# Altium PCB Protolink_Agro_LoRa.PcbDoc
Units mm, origin at the board's own origin, x right, y up, seen from the top; angles counter-clockwise.
Board outline 84 x 55 mm, 2 copper layers (Top Layer, Bottom Layer), stack 1.671 mm thick; 56 components, 38 nets, 169 pads, 46 vias.
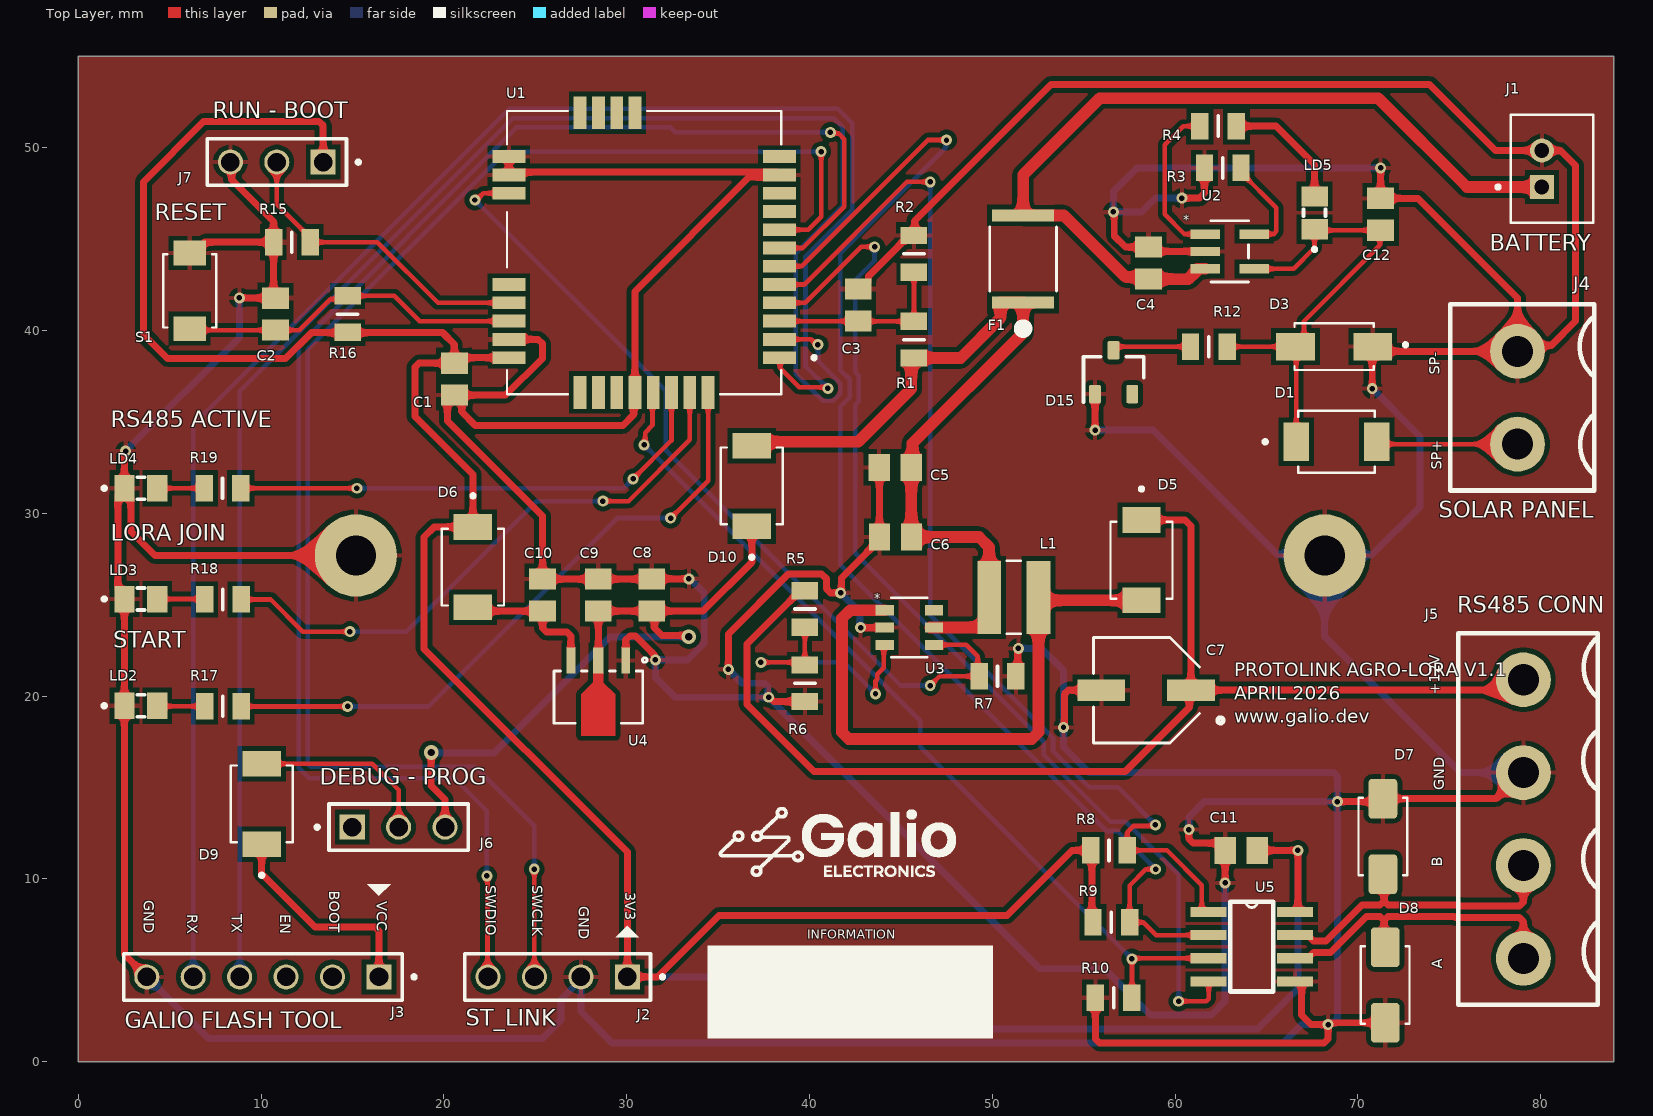
[diagram p0: Top Layer view]
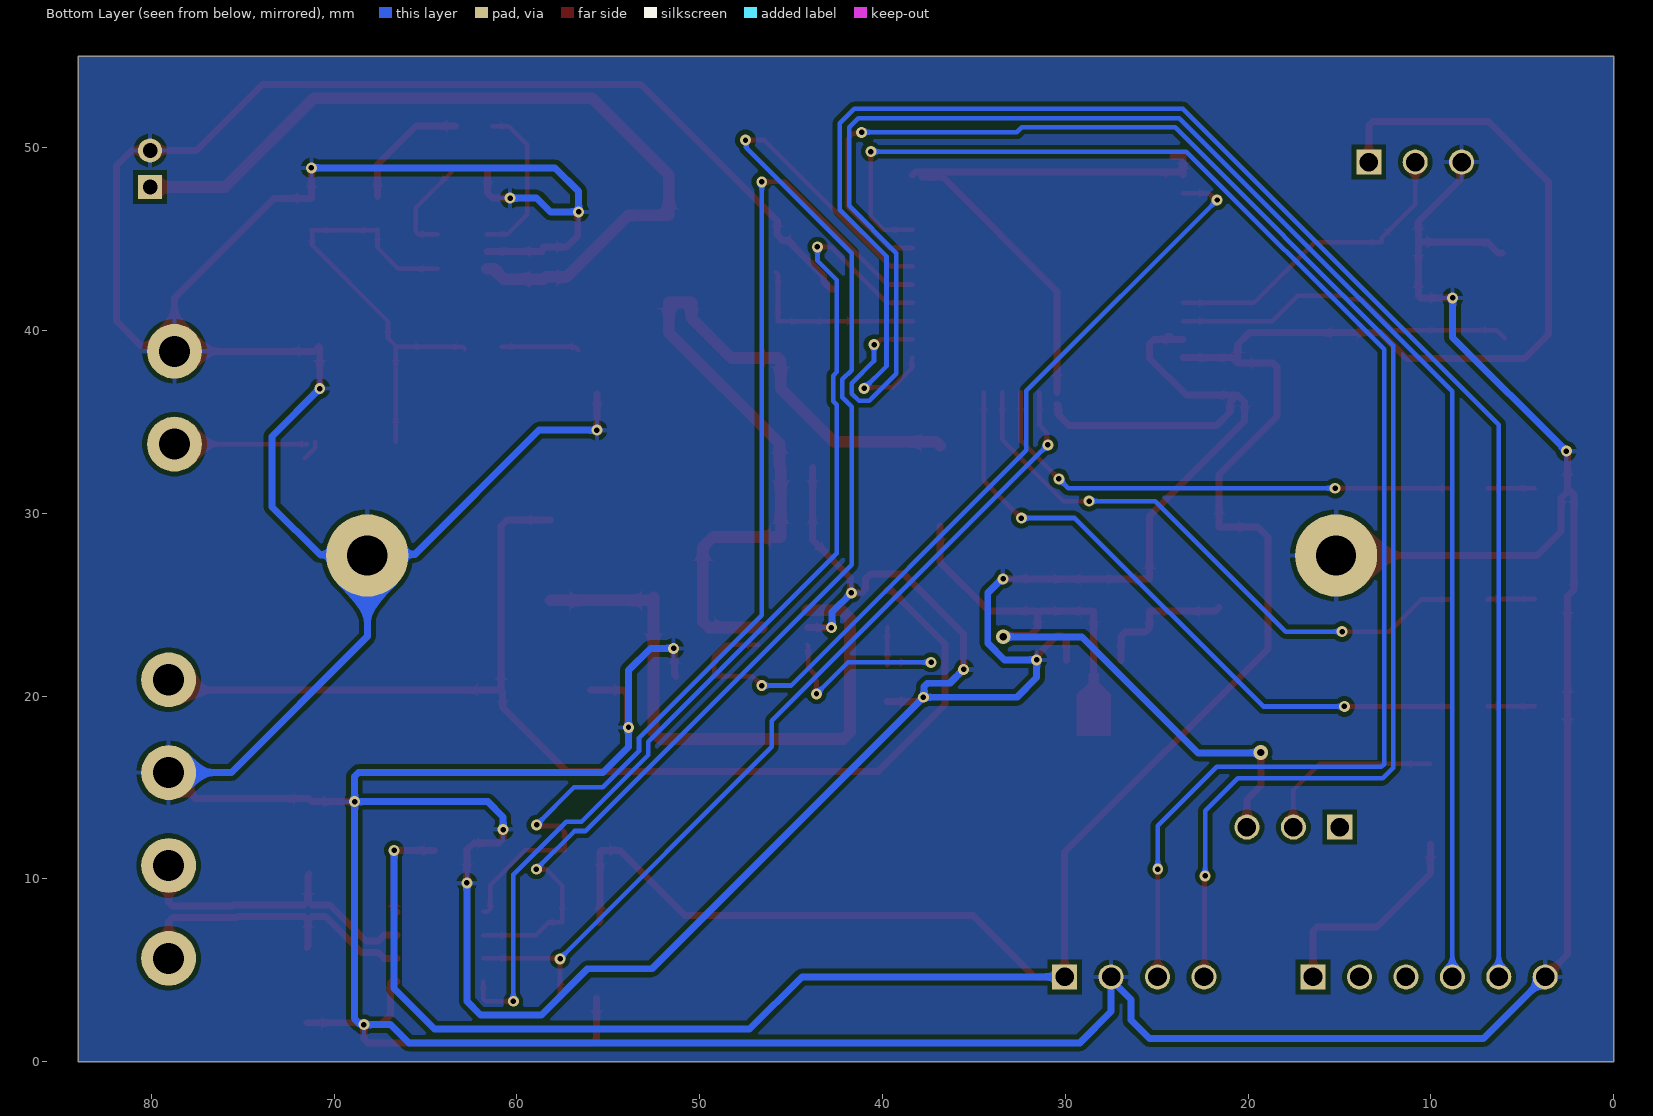
[diagram p1: Bottom Layer view, seen from below]
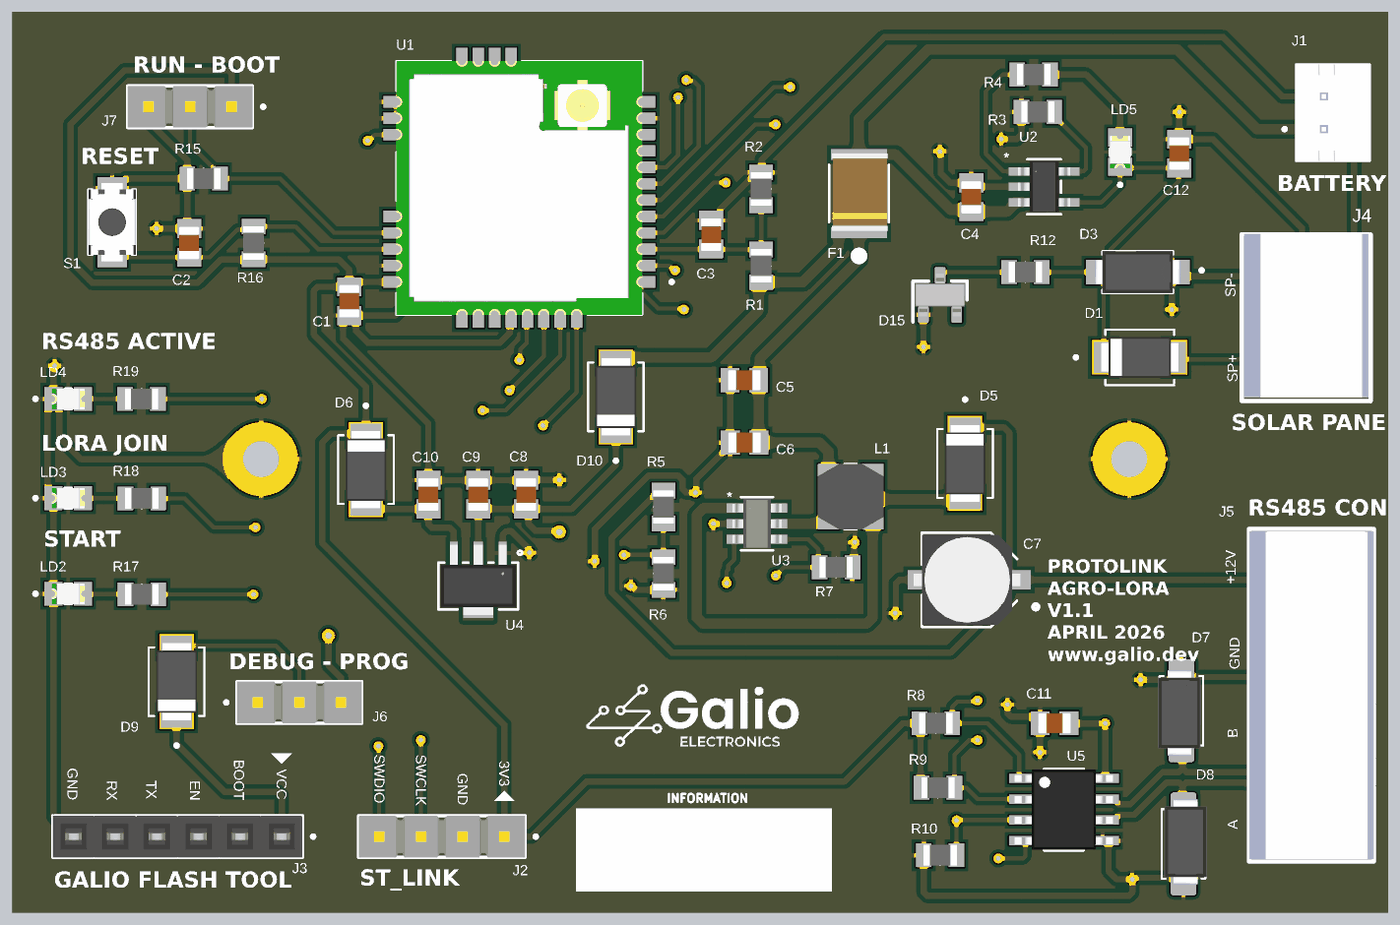
[diagram p2: 3D render of the assembled board from above, using the file's embedded part models]

## Layer stack, top to bottom
Top Solder: solder mask 0.0102, Solder Resist, Dk 3.5
Top Layer: signal copper 0.0356
Dielectric 1: dielectric 1.6, FR-4, Dk 4.8
Bottom Layer: signal copper 0.0356
Bottom Solder: solder mask 0.0102, Solder Resist, Dk 3.5

## Board outline
0,0 84,0 84,55 0,55

## Design rules (kind name [scope] priority, off if disabled: settings)
Clearance [All] p1: gap=0.254 ignorepadtopadclearanceinfootprint=FALSE except(0: Arc-Hole Track-Hole SMDPad-Hole THPad-Hole Via-Hole Fill-Hole Poly-Hole Region-Hole Text-Hole)
DiffPairsRouting [All] p1: maxlimit=0.254 minlimit=0.254 mostfreqgap=0.254 toplayer_minwidth=0.381 toplayer_maxwidth=0.381 toplayer_prefwidth=0.381 bottomlayer_minwidth=0.381 bottomlayer_maxwidth=0.381 bottomlayer_prefwidth=0.381 maxuncoupledlength=12.7
PolygonConnect [All] p1: connectstyle=Relief reliefconductorwidth=0.254 reliefentries=4 polygonreliefangle="90 Angle" airgapwidth=0.254
RoutingVias [All] p1: holewidth=0.711 width=1.27 viastyle="Through Hole" minholewidth=0.711 minwidth=1.27 maxholewidth=0.711 maxwidth=1.27
SolderMaskExpansion [All] p1: expansion=0.102 istentingtop=FALSE
Width Power_low [InNetClass('Power_low')] p1: maxlimit=0.635 minlimit=0.203 preferedwidth=0.381 minimp=50.000000 maximp=50.000000 favimp=50.000000
Width power_high [InNetClass('Power_High')] p2: maxlimit=1.016 minlimit=0.381 preferedwidth=0.635 minimp=50.000000 maximp=50.000000 favimp=50.000000
Width Señales [InNetClass('Señal')] p3: maxlimit=0.381 minlimit=0.203 preferedwidth=0.254 minimp=50.000000 maximp=50.000000 favimp=50.000000
29 further rules are at their usual default settings.

## Classes and differential pairs
net class Señal: BOOT0 DE FB INIT_LED LORA_LED NetLD2_2 NetLD3_2 NetLD4_2 NIV_BAT P_N P_P PROG RE RS485_LED RS_485_ENA RST RX RX_2 SOLAR_IN STAT SWCLK SWDIO TX TX_2 VDD ZENER_OUT
net class Power_low: +3.3 +5 +12 GND VBAT_CHARGE VIN_LDO VOUT_LDO
net class Power_High: SW_BOOST V_BAT V_CHARGE VBAT_CHARGE
component class Sheet2: Reset
differential pair P: +P_P -P_N

## Components (designator, comment, footprint, x,y, rotation, side; value= is the part's Value field where it differs from the comment)
C1 "100nF" CAPC2012X110N 20.574,37.338 r90 top
C2 "100nF" CAPC2012X110N 10.795,40.894 r270 top
C3 "100nF" CAPC2012X110N 42.672,41.402 r270 top
C4 "4.7uF" CAPC2012X110N 58.547,43.688 r270 top
C5 "100nF" CAPC2012X110N 44.69,32.512 r0 top
C6 "22uF" CAPC2012X110N 44.704,28.702 r0 top
C7 "22µF 25V" CAP_EEFK_C_PAN 58.42,20.32 r180 top
C8 "1uF" CAPC2012X110N 31.369,25.527 r270 top
C9 "100nF" CAPC2012X110N 28.448,25.527 r90 top
C10 "1uF" CAPC2012X110N 25.4,25.527 r270 top
C11 "100nF" CAPC2012X110N 63.627,11.557 r0 top
C12 "4.7uF" CAPC2012X110N 71.247,46.355 r270 top
D1 "Schottky 1A 40V" SODFL4725X110N 68.834,33.909 r0 top
D3 "TVS U 7.6v" DIOM4325X250N 68.707,39.116 r180 top
D5 "Schottky 1A 40V" SODFL4725X110N 58.166,27.432 r270 top
D6 "Schottky 1A 40V" SODFL4725X110N 21.59,27.051 r270 top
D7 "TVS" DIOM5126X229N 71.374,12.319 r270 top
D8 "TVS" DIOM5126X229N 71.501,4.191 r90 top
D9 "Schottky SOD-128" SODFL4725X110N 10.033,14.097 r90 top
D10 "Schottky SOD-128" SODFL4725X110N 36.847,31.496 r90 top
D15 "Zener 6.8V" SOT-23 56.642,37.719 r90 top value="Single Diode"
F1 "" FUSE_MF-MSMF07524-2_BRN 51.689,43.914 r90 top
J1 "B2B-PH-K-S" JST_B2B-PH-K-S 80.623,48.847 r270 top
J2 "PIN-HEADER-4" PIN-HEADER-4-MALE 26.226,4.635 r0 top
J3 "PIN-HEADER-6" PIN-HEADER-6-FEMALE 10.096,4.635 r0 top
J4 "TRT2" TRT_2_KF301 78.74,38.862 r90 top
J5 "TRT4" "TRT_4_ KF301" 79.057,13.271 r90 top
J6 "PIN-HEADER-3" PIN-HEADER-3-MALE 17.526,12.827 r180 top
J7 "PIN-HEADER-3" PIN-HEADER-3-MALE 10.858,49.212 r0 top
L1 "VLS4012ET-4R7M-CA" IND_VLS4012ET-4R7M-CA 51.181,25.4 r0 top
LD2 "" LEDC2012X70N 3.417,19.467 r0 top
LD3 "" LEDC2012X70N 3.417,25.308 r0 top
LD4 "" LEDC2012X70N 3.418,31.369 r0 top
LD5 "" LEDC2012X70N 67.632,46.441 r90 top
R1 "100k" RESC2013X84N 45.72,39.497 r270 top
R2 "100k" RESC2013X84N 45.72,44.196 r270 top
R3 "2.2k" RESC2013X84N 62.611,48.895 r0 top
R4 "470" RESC2013X84N 62.357,51.181 r0 top
R5 "190K" RESC2013X84N 39.751,24.764 r90 top
R6 "10K" RESC2013X84N 39.751,20.7 r90 top
R7 "10K" RESC2013X84N 50.292,21.082 r180 top
R8 "10k" RESC2013X84N 56.388,11.557 r180 top
R9 "10k" RESC2013X84N 56.515,7.62 r180 top
R10 "10k" RESC2013X84N 56.642,3.494 r0 top
R12 "47" RESC2013X84N 61.849,39.116 r0 top
R15 "10k" RESC2013X84N 11.684,44.831 r0 top
R16 "10k" RESC2013X84N 14.732,40.894 r90 top
R17 "330" RESC2013X84N 7.907,19.442 r0 top
R18 "330" RESC2013X84N 7.907,25.284 r0 top
R19 "330" RESC2013X84N 7.89,31.369 r0 top
S1 "" SWITCH-SMD-4x3mm 6.096,42.164 r270 top
U1 "RAK3172" XCVR_RAK3172 30.954,44.263 r180 top
U2 "MCP73831T-2ACI/OT" SOT-23-5_MC_MCH-M 62.992,44.323 r0 top
U3 "MT3608" TSOT23-6SOT23-6_AER 45.466,23.749 r0 top
U4 "MCP1700T-3302E/MB" SOT-89_3MC_MCH 28.448,19.939 r180 top
U5 "THVD2450DR" SOIC8-N_MC 64.198,6.286 r0 top

## Footprints (in the part's own frame and the unit in brackets; to place one, negate y for a bottom-side part, rotate by r counter-clockwise, add the part's x,y. Pads: shape width x height; smd on the part's side, far side on the other; paste and mask are expansions set on the pad)
CAP_EEFK_C_PAN [mil]
  rect 103x46 smd paste+0 mask+0: 1(-96.5,0) 2(96.5,0)
  silkscreen extent -166,-114 114,114, body extent -123,-109 133,109, height 242
CAPC2012X110N [mm]
  rect 1.16x1.47 smd paste+0 mask+0.102: 1(-0.875,0) 2(0.875,0)
  body extent -1,-0.63 1,0.63, height 1.1
DIOM4325X250N [mm]
  rect 2.12x1.5 smd: A(2.115,0) C(-2.115,0)
  silkscreen extent -4,-1.28 2.16,1.28, body extent -2.61,-1.3 2.61,1.3, height 2.4
DIOM5126X229N [mm] "Diode TVS Bi-Dir 30V 400W DO214AC"
  rrect25% 2.17x1.57 smd paste+0 mask+0.102: 1(-2.065,0) 2(2.065,0)
  silkscreen extent -2.12,-1.33 2.12,1.33, body extent -2.48,-1.43 2.73,1.18, height 2.4
FUSE_MF-MSMF07524-2_BRN [mil]
  rect 25.78x134 smd paste+0 mask+0: 1(-93.89,0) 2(93.89,0)
  silkscreen extent -160,-72 69,72, body extent -90,-69 96,65, height 33
IND_VLS4012ET-4R7M-CA [mm]
  rect 1.3x4 smd: 1(-1.35,0) 2(1.35,0)
  silkscreen extent -0.38,-2 0.38,2, body extent -2,-2 2,2, height 1.2
JST_B2B-PH-K-S [mm]
  rect 1.308x1.308 / inner round 1.308 / far side rect 1.308x1.308 hole 0.8: 1(1,-0.55)
  round 1.308 hole 0.8: 2(-1,-0.55)
  silkscreen extent -2.95,-3.05 2.95,2.25, body extent -2.95,-2.25 2.95,2.25, height 6
LEDC2012X70N [mm]
  rect 1.1x1.45 smd: A(0.9,0) C(-0.9,0)
  silkscreen extent -2.1,-0.6 0.2,0.6, body extent -1,-0.63 1,0.63, height 0.7
PIN-HEADER-3-MALE [mm]
  rect 1.37x1.37 hole 1.02: 1(2.54,0)
  round 1.37 hole 1.02: 2(0,0) 3(-2.54,0)
  silkscreen extent -3.81,-1.27 4.56,1.27, body extent -3.81,-1.27 3.81,1.27, height 5.08
PIN-HEADER-4-MALE [mm]
  rect 1.37x1.37 hole 1.02: 1(3.81,0)
  round 1.37 hole 1.02: 2(1.27,0) 3(-1.27,0) 4(-3.81,0)
  silkscreen extent -5.08,-1.27 5.83,1.27, body extent -5.08,-1.27 5.08,1.27, height 5.08
PIN-HEADER-6-FEMALE [mm]
  rect 1.37x1.37 hole 1.02: 1(6.35,0)
  round 1.37 hole 1.02: 2(3.81,0) 3(1.27,0) 4(-1.27,0) 5(-3.81,0) 6(-6.35,0)
  silkscreen extent -7.62,-1.27 8.37,1.27, body extent -7.62,-1.27 7.62,1.27, height 8.5
RESC2013X84N [mm] "Chip Resistor, EIA 0805, Metric 2013, Body 2.03x1.27mm, IPC Medium Density"
  rect 0.95x1.45 smd: 1(-1,0) 2(1,0)
  silkscreen extent 0,-0.55 0,0.55, body extent -1.02,-0.63 1.02,0.64, height 0.84
SODFL4725X110N [mm]
  rect 1.4x2.1 smd paste-0.1: 1(-2.2,0) 2(2.2,0)
  silkscreen extent -4,-1.7 2.1,1.7, body extent -2.35,-1.25 2.35,1.25, height 1.1
SOIC8-N_MC [mil]
  rect 78x22 smd: 1(-93,75) 2(-93,25) 3(-93,-25) 4(-93,-75) 5(93,-75) 6(93,-25) 7(93,25) 8(93,75)
  silkscreen extent -46,-96 46,96, body extent -118,-97 118,96, height 69
SOT-23 [mm] "SOT23, 3-Leads, IPC Medium Density"
  rrect25% 1x0.65 smd: 1(-1.2,1.02) 2(-1.2,-1.02) 3(1.2,0)
  silkscreen extent -1.65,-1.65 0.85,1.65, body extent -1.3,-1.52 1.3,1.52, height 1.3
SOT-23-5_MC_MCH-M [mil]
  rect 63.37x20 smd paste+0 mask+0: 1(-52.97,37.4) 2(-52.97,0) 3(-52.97,-37.4) 4(52.97,-37.4) 5(52.97,37.4)
  silkscreen extent -40,-66 40,66, body extent -63,-61 63,61, height 57
SOT-89_3MC_MCH [mil]
  rect 19x55.87 smd paste+0 mask+0: 1(-59.06,-79.12) 3(59.06,-79.12)
  rect 22x55.87 smd paste+0 mask+0: 2(0,-79.12)
  Top Layer region: 11,-51.18 -11,-51.18 -11,-30.82 -36.98,-6.8 -36.98,82.96 36.98,82.96 36.98,-6.8 11,-31.8
  silkscreen extent -105,-85 96,56, body extent -91,-99 91,69, height 65
SWITCH-SMD-4x3mm [mm]
  rect 1.35x1.8 smd: 1(-2.075,0) 2(2.075,0)
  silkscreen extent -2,-1.45 2,1.45, body extent -2.4,-1.45 2.4,1.45, height 2
TRT_2_KF301 [mm] "Bornera KF301 de 2 Pines 5mm"
  round 3 hole 1.7: 1(-5.08,0) 2(0,0)
  silkscreen extent -7.63,-4.19 2.57,3.68, body extent -7.41,-4.06 2.59,3.54, height 10.03
"TRT_4_ KF301" [mm] "Bornera KF301 de 4 Pines 5mm"
  round 3 hole 1.7: 1(-7.62,0) 2(-2.54,0) 3(2.54,0) 4(7.62,0)
  silkscreen extent -10.16,-4.06 10.16,3.56, body extent -10,-4.06 10,3.54, height 10.05
TSOT23-6SOT23-6_AER [mm]
  rect 0.998x0.558 smd paste+0 mask+0: 1(-1.35,0.95) 2(-1.35,0) 3(-1.35,-0.95) 4(1.35,-0.95) 5(1.35,0) 6(1.35,0.95)
  silkscreen extent -0.98,-1.63 0.98,1.63, body extent -1.5,-1.5 1.5,1.5, height 1.45
XCVR_RAK3172 [mm]
  rect 1.8x0.7 smd paste+0 mask+0.102: 1(-7.4,5.75) 2(-7.4,4.75) 3(-7.4,3.75) 4(-7.4,2.75) 5(-7.4,1.75) 6(-7.4,0.75) 7(-7.4,-0.25) 8(-7.4,-1.25) 9(-7.4,-2.25) 10(-7.4,-3.25) 11(-7.4,-4.25) 12(-7.4,-5.25) 17(7.4,-5.25) 18(7.4,-4.25) 19(7.4,-3.25) 20(7.4,1.75) 21(7.4,2.75) 22(7.4,3.75) 23(7.4,4.75) 24(7.4,5.75)
  rect 0.7x1.8 smd paste+0 mask+0.102: 13(0.5,-7.65) 14(1.5,-7.65) 15(2.5,-7.65) 16(3.5,-7.65) 25(3.5,7.65) 26(2.5,7.65) 27(1.5,7.65) 28(0.5,7.65) 29(-0.5,7.65) 30(-1.5,7.65) 31(-2.5,7.65) 32(-3.5,7.65)
  silkscreen extent -9.4,-7.75 7.5,7.75, body extent -7.5,-7.75 7.5,7.75, height 2.61

## Part data
C1 C2 C3 C4 C5 C6 C8 C9 C10 C11 C12: library part C0805C125K4RACTU, "CAPACITOR, 0805", Package="805-2 KEMET", Check_prices=https://www.snapeda.com/parts/C0805C125K4RACTU/Kemet/view-part/?ref=eda, MF=KEMET, MP=C0805C125K4RACTU, SnapEDA_Link=https://www.snapeda.com/parts/C0805C125K4RACTU/Kemet/view-part/?ref=snap
C7: library part EEE-FK1E220AR, "Capacitor electrolítico aluminio SMD", Manufacturer_Name=Panasonic, Copyright="Copyright (C) 2026 Ultra Librarian. All rights reserved.", Manufacturer_Part_Number=EEE-FK1E220AR
D1 D5 D6 D9 D10: library part PMEG4020ETP,115, "Diode Schottky 40V 2A Surface Mount SOD-128/CFP5", Package="CFP5-2 Nexperia USA Inc.", Check_prices=https://www.snapeda.com/parts/PMEG4020ETP,115/Nexperia/view-part/?ref=eda, MF="Nexperia USA", MP=PMEG4020ETP,115, SnapEDA_Link=https://www.snapeda.com/parts/PMEG4020ETP,115/Nexperia/view-part/?ref=snap
D3: library part SMAJ11A, "11 TVS Diode Surface Mount DO-214AC (SMA)", Package="DO-214 Bourns", Check_prices=https://www.snapeda.com/parts/SMAJ11A/Bourns/view-part/?ref=eda, MF=Bourns, MP=SMAJ11A, SnapEDA_Link=https://www.snapeda.com/parts/SMAJ11A/Bourns/view-part/?ref=snap
D7 D8: library part "Diode TVS Bi-Directional", "Transient Voltage Suppressor Diode (Bi-Directional)"
D15: library part Zener-Diode_NC, ki_description="Zener Dual Diode Common Anode", ki_keywords="Zener Dual Diode Common Anode"
F1: library part MF-MSMF07524-2, "Fuse", Manufacturer_Name="Bourns Electronics", Manufacturer_Part_Number=MF-MSMF075/24-2, Copyright="Copyright (C) 2026 Ultra Librarian. All rights reserved."
J1: "Connector Header Through Hole 2 position 0.079 (2.00mm)", Package=None, Check_prices=https://www.snapeda.com/parts/B2B-PH-K-S/JST/view-part/?ref=eda, MF="JST Sales America Inc.", MP=B2B-PH-K-S, SnapEDA_Link=https://www.snapeda.com/parts/B2B-PH-K-S/JST/view-part/?ref=snap
J2 J3 J7: Package=None, Availability=Unavailable, Price=None
  J2: MP=MTSW-104-06-T-S-100
  J3: MP=MTSW-106-06-T-S-100
  J7: MP=MTSW-103-06-T-S-190
J4: library part TRT_2, "Terminal Block, 2 Positions, Screw Connection"
J5: library part TRT_4, "TRT_4"
L1: "4.7 µH Shielded Drum Core, Wirewound Inductor 1.9 A 118mOhm Max Nonstandard", Package="NON STANDARD-2 TDK", Check_prices=https://www.snapeda.com/parts/VLS4012ET-4R7M-CA/TDK/view-part/?ref=eda, MF=TDK, MP=VLS4012ET-4R7M-CA, SnapEDA_Link=https://www.snapeda.com/parts/VLS4012ET-4R7M-CA/TDK/view-part/?ref=snap
LD2: library part "LED Red 0805", "LED Red 0805"
LD3 LD5: library part "LED Green 0805", "LED Green 0805"
LD4: library part "LED Yellow 0805", "LED Yellow 0805"
R1 R2 R3 R4 R5 R6 R7 R8 R9 R10 R12 R15 R16 R17 R18 R19: library part RES
S1: library part SWITCH-SMD-4x3mm, "50mA 4mm 100MÎ© 100,000 Times 12V 160gf 3mm 2mm Round Button Vertical welding SPST SMD Tactile Switches ROHS", Package=Package, Check_prices=https://www.snapeda.com/parts/TS-1088-AR02016/Xunpu/view-part/?ref=eda, MF=Xunpu, MP=TS-1088-AR02016, SnapEDA_Link=https://www.snapeda.com/parts/TS-1088-AR02016/Xunpu/view-part/?ref=snap
U1: "RAK3172 is a low-power long-range transceiver module based on the STM32WLE5CC chip. It provides an easy-to-use, small-size, low-power solution for long range wireless data applications", Package=Package, Check_prices=https://www.snapeda.com/parts/RAK3172/Shenzhen+RAKwireless+Technology+Co.%252CLtd./view-part/?ref=eda, MF="Shenzhen RAKwireless Technology Co.,Ltd.", MP=RAK3172, SnapEDA_Link=https://www.snapeda.com/parts/RAK3172/Shenzhen+RAKwireless+Technology+Co.%252CLtd./view-part/?ref=snap
U2: library part MCP73831T-2ACIOT, "Series Single-Cell Li-Ion/Li-Polymer Battery Charge Controller", Manufacturer_Name=Microchip, Copyright="Copyright (C) 2025 Ultra Librarian. All rights reserved.", Manufacturer_Part_Number=MCP73831T-2ACI/OT, RefDes=RefDes, Type=Type
U3: "DC-DC step-up", Manufacturer_Name=Aerosemi, Copyright="Copyright (C) 2025 Ultra Librarian. All rights reserved.", Manufacturer_Part_Number=MT3608, RefDes=RefDes, Type=Type
U4: library part MCP1700T-3302EMB, "Linear Voltage Regulators", Manufacturer_Name=Microchip, Copyright="Copyright (C) 2026 Ultra Librarian. All rights reserved.", Manufacturer_Part_Number=MCP1700T-3302E/MB, RefDes=RefDes, Type=Type
U5: "Transceiver Half RS422, RS485 SOIC-8", Manufacturer_Name="Texas Instruments", Copyright="Copyright (C) 2025 Ultra Librarian. All rights reserved.", Manufacturer_Part_Number=THVD2450DR, RefDes=RefDes, Type=Type

## Free pads (board coordinates)
  round 4.5 hole 2.2: Pad1(15.191,27.691) Pad2(68.191,27.691)

## Via types
v1: diameter 0.6, hole 0.3, Top Layer to Bottom Layer, 44 vias
v2: diameter 0.8, hole 0.4, Top Layer to Bottom Layer, 2 vias

## Nets (pads, with @x,y where several pads share a name; then routed paths per layer and width w, separated by ;. In a path a pad name is that pad's centre, name@x,y a point inside that pad or via, vN(x,y) a via of type N, cw(c..) or ccw(c..) an arc to the next point about the centre after c; other vN are vias at no path point)
+3.3: C1.2 C11.2 D6.1 J2.1 J7.1 R8.2 R9.2 R16.1 U1.24 U5.8 | length 172.3
  Top Layer w0.381: J7.1 13.399,51.212 13.175,51.435 6.858,51.435 3.556,48.133 3.556,39.79 4.885,38.462 11.33,38.462 12.746,39.878 19.939,39.878 20.574,39.243 C1.2 ; U1.24 20.874,38.513 C1.2 ; R9.2 55.451,7.683 55.451,11.493 R8.2 54.356,11.557 50.8,8.001 35.052,8.001 31.686,4.635 J2.1 30.035,11.473 18.923,22.586 18.923,28.702 19.472,29.251 D6.1 21.59,32.131 18.415,35.306 18.415,37.99 18.638,38.213 C1.2 ; C11.2 64.507,11.552 v1(66.727,11.552) 66.727,8.28 66.638,8.191 U5.8
  Bottom Layer w0.381: J2.1 44.416,4.635 47.273,1.778 64.516,1.778 66.727,3.989 v1(66.727,11.552)
+5: C8.2 C9.1 D10.1 J6.3 U4.2 | length 39.5
  Top Layer w0.381: v2(19.304,16.91) 19.304,15.113 20.066,14.351 J6.3 ; 28.448,20.701 U4.2 C9.1 C8.2 31.521,24.5 31.521,23.724 31.924,23.321 33.321,23.321 v2(33.401,23.241) ; C8.2@31.524,24.652 34.177,24.652 36.847,27.322 D10.1
  Bottom Layer w0.381: v2(19.304,16.91) 19.323,16.891 22.733,16.891 29.083,23.241 v2(33.401,23.241)
+12: C7.1 D5.1 J5.4 R5.2 | length 66.1
  Top Layer w0.381: R5.2 39.501,25.764 36.594,22.856 36.594,19.541 40.259,15.875 57.277,15.875 60.789,19.387 60.789,20.238 C7.1 ; D5.1 60.538,29.632 60.871,29.299 C7.1 ; J5.4 78.349,20.892 77.777,20.32 C7.1
BD: D9.2 J6.2 | length 10.1
  Top Layer w0.254: D9.2 16.088,16.297 17.526,14.859 J6.2
BOOT0: J7.2 R15.2 U1.21 | length 17.4
  Top Layer w0.254: J7.2 10.858,46.907 12.684,45.081 R15.2 16.359,44.831 19.677,41.513 U1.21
DE: R10.2 U1.29 U5.3 | length 48.6
  Top Layer w0.254: v1(30.951,33.745) 31.017,33.811 31.017,34.413 31.411,34.807 31.411,36.571 U1.29 ; R10.2 57.646,3.498 v1(57.646,5.626) 57.671,5.651 U5.3
  Bottom Layer w0.254: v1(30.951,33.745) 46.055,18.641 46.055,17.218 v1(57.646,5.626)
FB: R5.1 R6.2 U3.3 | length 14.4
  Top Layer w0.254: v1(37.338,21.844) 39.607,21.844 R6.2 R5.1 ; v1(43.614,20.119) 43.614,20.826 43.714,20.927 43.714,21.203 44.069,21.557 44.069,22.752 U3.3
  Bottom Layer w0.254: v1(37.338,21.844) 41.889,21.844 v1(43.614,20.119)
GND: C1.1 C2.1 C3.1 C4.1 C5.1 C6.1 C7.2 C8.1 C9.2 C10.1 C11.1 C12.1 D3.C D7.1 D8.1 D15.1 J1.2 J2.2 J3.6 J4.2 J5.3 J7.3 LD2.C LD3.C LD4.C pad.Pad1 pad.Pad2 R2.1 R3.1 R6.1 R7.1 R10.1 R15.1 S1.1 U1.11 U1.17 U1.18 U1.23 U1.28 U2.2 U3.2 U4.1 U5.5 | length 551
  Top Layer w0.381: v1(2.592,33.396) 2.592,33.337 2.518,33.263 LD4.C ; J3.6 2.517,5.865 LD2.C LD3.C 2.517,25.483 2.159,25.841 2.159,31.01 LD4.C ; S1.1 6.321,44.239 6.913,44.831 R15.1 ; J7.3 8.381,49.15 8.381,48.261 10.684,45.958 R15.1 ; v1(8.815,41.778) 10.582,41.778 10.684,41.88 R15.1 ; pad.Pad1 4.186,27.691 2.877,29 2.877,30.835 2.575,31.137 2.518,31.137 LD4.C ; U1.23 U1.23@24.104,39.513 ; U1.17@24.104,49.513 U1.17 U1.18 23.701,48.66 38.207,48.66 U1.11 ; U1.23@24.441,39.673 24.263,39.673 U1.23@24.104,39.513 ; U4.1 29.948,23.06 30.171,23.283 30.487,23.283 31.529,22.241 31.529,22.018 v1(31.571,21.976) ; U1.28 30.454,42.138 36.703,48.387 U1.11@37.846,48.387 ; U1.28@30.488,35.949 30.427,35.949 30.382,35.903 30.382,35.389 29.791,34.798 21.717,34.798 20.98,35.535 20.98,36.073 C1.1@20.591,36.463 ; v1(33.401,26.416) 31.383,26.416 C8.1 C9.2 C10.1 25.4,29.845 20.193,35.052 20.193,36.082 C1.1 C1.1@20.591,36.463 ; v1(35.56,21.463) 35.56,23.402 38.842,26.684 40.66,26.684 40.92,26.423 40.92,25.882 41.153,25.649 v1(41.708,25.649) 41.75,25.691 41.75,26.468 43.829,28.547 C6.1 43.829,32.498 C5.1 ; v1(37.771,19.934) 37.83,19.934 38.064,19.7 R6.1 ; C3.1 42.827,42.277 43.216,42.667 43.216,42.962 45.166,44.912 45.435,44.912 R2.1 45.765,45.241 45.765,46.019 53.213,53.467 73.914,53.467 77.534,49.847 J1.2 81.09,49.847 81.915,49.022 81.915,40.513 80.586,39.184 79.062,39.184 J4.2 ; v1(42.799,23.749) U3.2 ; R7.1 51.393,21.183 51.393,22.564 v1(51.435,22.606) ; v1(53.9,18.283) 53.942,18.325 53.942,20.097 54.165,20.32 C7.2 ; D15.1 55.624,36.517 55.624,34.546 v1(55.626,34.544) ; R10.1 55.642,1.239 55.865,1.016 68.155,1.016 68.378,1.239 v1(68.378,2.027) 68.437,2.027 68.536,2.126 D8.1 ; v1(56.634,46.487) 56.676,46.445 56.676,45.178 57.291,44.563 C4.1 ; C4.1@58.632,44.323 U2.2 ; v1(60.377,47.239) 61.336,47.239 61.611,47.514 R3.1 ; v1(60.758,12.695) 60.758,12.18 60.981,11.957 62.362,11.957 62.752,11.568 C11.1 62.738,11.543 v1(62.738,9.779) ; U5.5 66.84,4.381 66.929,4.293 66.929,2.54 67.442,2.027 v1@68.318,2.027 ; v1(68.886,14.219) 71.209,14.219 D7.1 77.555,14.384 78.983,15.811 J5.3 ; v1(70.791,36.825) 70.791,39.085 D3.C 71.076,38.862 J4.2 ; v1(71.247,48.895) C12.1 73.293,47.23 78.74,41.783 J4.2 ; C1.1@20.591,36.463 23.383,36.463 25.384,38.464 25.384,39.29 25.161,39.513 U1.23@24.104,39.513
  Bottom Layer w0.381: v1(2.592,33.396) 8.815,39.619 v1(8.815,41.778) ; J3.6 7.112,1.27 25.4,1.27 26.416,2.286 26.416,3.41 J2.2@27.495,4.489 ; J2.2 J2.2@27.495,4.489 ; v1(33.401,26.416) 33.46,26.416 34.246,25.631 34.246,22.891 33.33,21.976 v1(31.571,21.976) 31.571,21.007 32.644,19.934 v1(37.771,19.934) ; v1(35.56,21.463) 36.322,20.701 37.548,20.701 37.729,20.52 37.729,19.976 v1(37.771,19.934) ; v1(41.708,25.649) 42.757,24.6 42.757,23.791 v1(42.799,23.749) ; v1(51.435,22.606) 52.705,22.606 53.9,21.411 v1(53.9,18.283) 53.9,17.22 55.303,15.817 68.663,15.817 68.886,15.594 v1(68.886,14.219) ; v1(55.626,34.544) 58.801,34.544 65.592,27.753 68.128,27.753 pad.Pad2 ; v1(60.377,47.239) 58.923,47.239 58.171,46.487 v1(56.634,46.487) 56.634,47.617 57.912,48.895 v1(71.247,48.895) ; v1(60.758,12.695) 60.758,13.387 61.59,14.219 v1(68.886,14.219) ; v1(62.738,9.779) 62.738,3.302 61.994,2.558 58.656,2.558 56.134,5.08 52.625,5.08 v1(37.771,19.934) ; v1(70.791,36.825) 73.406,34.21 73.406,30.353 70.789,27.736 69.35,27.736 69.305,27.691 pad.Pad2 ; J5.3 75.629,15.811 68.191,23.25 pad.Pad2 ; J2.2@27.495,4.489 27.495,2.731 29.21,1.016 65.92,1.016 66.931,2.027 v1(68.378,2.027) 68.42,2.069 68.608,2.069 68.886,2.347 v1(68.886,14.219)
INIT_LED: R17.2 U1.32 | length 35.5
  Top Layer w0.254: R17.2 8.918,19.431 v1(14.732,19.431) ; v1(32.403,29.737) 34.454,31.789 U1.32
  Bottom Layer w0.254: v1(14.732,19.431) 19.177,19.431 29.483,29.737 v1(32.403,29.737)
LORA_LED: R18.2 U1.31 | length 32.2
  Top Layer w0.254: R18.2 10.53,25.284 12.289,23.525 v1(14.854,23.525) ; v1(28.702,30.667) 30.1,30.667 33.454,34.021 U1.31
  Bottom Layer w0.254: v1(14.854,23.525) 17.937,23.525 25.079,30.667 28.675,30.667 v1(28.702,30.667)
NetLD2_2: LD2.A R17.1 | length 2.6
  Top Layer w0.254: LD2.A 4.342,19.442 R17.1
NetLD3_2: LD3.A R18.1 | length 2.6
  Top Layer w0.254: LD3.A 6.883,25.308 R18.1
NetLD4_2: LD4.A R19.1 | length 2.6
  Top Layer w0.254: LD4.A R19.1
NetLD5_1: 
NIV_BAT: C3.2 R1.1 R2.2 U1.3 | length 10
  Top Layer w0.254: U1.3 C3.2@42.559,40.513 ; C3.2 42.702,40.497 R1.1 45.72,43.069 R2.2@45.847,43.196
P_N: D8.2 J5.1 U5.6 | length 17.2
  Top Layer w0.381: U5.6 67.272,5.651 67.361,5.74 67.361,5.746 67.584,5.969 68.518,5.969 70.487,7.938 71.214,7.938 71.438,7.714 ; D8.2 71.438,6.319 71.438,7.714 ; J5.1 79.057,7.651 78.834,7.874 75.334,7.874 75.27,7.938 71.661,7.938 71.438,7.714
P_P: D7.2 J5.2 U5.7 | length 17.4
  Top Layer w0.381: U5.7@66.65,6.833 U5.7 67.272,6.921 67.361,6.833 67.361,6.827 67.584,6.604 68.255,6.604 70.224,8.572 71.214,8.572 71.438,8.796 ; D7.2 71.438,10.191 71.438,8.796 ; J5.2 79.057,8.732 78.834,8.509 75.597,8.509 75.533,8.572 71.661,8.572 71.438,8.796
PROG: R3.2 U2.5 | length 5.5
  Top Layer w0.254: R3.2 63.611,48.645 65.54,46.716 65.54,45.422 65.391,45.273 U2.5
RE: R9.1 U1.6 U5.2 | length 70.6
  Top Layer w0.254: U1.6 39.576,43.513 46.482,50.419 v1(47.498,50.419) ; v1(58.946,10.523) 58.402,10.523 57.515,9.636 R9.1 58.265,7.62 58.963,6.921 U5.2
  Bottom Layer w0.254: v1(47.498,50.419) 47.461,50.382 47.461,50.001 41.689,44.229 41.689,37.83 42.197,37.322 42.197,36.338 41.689,35.83 41.689,27.186 56.26,12.615 56.854,12.615 v1(58.946,10.523)
RS485_LED: R19.2 U1.30 | length 27.3
  Top Layer w0.254: R19.2 v1(15.239,31.369) ; v1(30.355,31.885) 32.454,33.984 U1.30
  Bottom Layer w0.254: v1(15.239,31.369) 29.839,31.369 v1(30.355,31.885)
RS_485_ENA: R7.2 U1.19 U3.4 | length 46.5
  Top Layer w0.254: v1(21.695,47.139) 21.789,47.139 22.156,47.506 23.546,47.506 U1.19 ; v1(46.609,20.574) 47.117,21.082 R7.2 49.208,21.166 49.208,22.166 48.575,22.799 U3.4
  Bottom Layer w0.254: v1(21.695,47.139) 32.139,36.695 32.139,33.446 45.011,20.574 v1(46.609,20.574)
RST: C2.2 R16.2 S1.2 U1.22 | length 19.1
  Top Layer w0.254: S1.2@5.969,39.581 6.407,40.019 C2.2 12.079,40.019 13.775,41.715 14.553,41.715 R16.2 17.288,41.894 18.669,40.513 U1.22
RX: R8.1 U1.5 U5.1 | length 61.1
  Top Layer w0.254: U1.5 39.719,42.513 45.339,48.133 v1(46.609,48.133) ; v1(58.928,12.954) 58.862,12.888 57.719,12.888 57.388,12.557 R8.1 59.563,11.557 61.468,9.652 61.468,8.344 61.62,8.191 U5.1
  Bottom Layer w0.254: v1(46.609,48.133) 46.609,24.421 53.328,17.702 53.328,16.984 55.31,15.002 56.88,15.002 v1(58.928,12.954)
RX_2: J3.5 U1.1 | length 93.5
  Top Layer w0.254: U1.1 38.396,38.471 38.396,37.931 39.431,36.896 40.942,36.896 v1(41.008,36.83)
  Bottom Layer w0.254: J3.5 6.286,34.848 23.565,52.127 41.546,52.127 42.337,51.336 42.337,46.611 39.786,44.06 39.786,38.052 v1(41.008,36.83)
SOLAR_IN: D1.2 J4.1 | length 8.4
  Top Layer w0.254: D1.2 71.034,33.593 D1.2@71.607,33.02 ; D1.2@71.48,33.782 J4.1
STAT: R4.1 U2.1 | length 8.8
  Top Layer w0.254: R4.1 60.452,51.181 59.436,50.165 59.436,46.355 60.518,45.273 U2.1
SW_BOOST: D5.2 L1.2 U3.1 | length 32.9
  Top Layer w0.635: U3.1 42.225,24.699 41.783,24.257 41.783,18.025 42.155,17.653 52.159,17.653 52.531,18.025 L1.2 52.699,25.232 D5.2
SWCLK: J2.3 U1.8 | length 83.4
  Top Layer w0.254: v1(24.944,10.536) 24.95,10.53 24.95,4.641 J2.3 ; U1.8 39.925,45.513 40.643,46.231 v1(40.643,49.784)
  Bottom Layer w0.254: v1(24.944,10.536) 24.944,12.905 21.72,16.129 12.708,16.129 12.559,16.278 12.559,38.966 23.377,49.784 v1(40.643,49.784)
SWDIO: J2.4 U1.7 | length 86.7
  Top Layer w0.254: v1(22.352,10.16) 22.384,10.128 22.384,4.667 J2.4 ; U1.7 39.643,44.513 41.91,46.78 41.91,50.463 41.596,50.777 41.214,50.777 v1(41.148,50.844)
  Bottom Layer w0.254: v1(22.352,10.16) 22.352,13.716 20.574,15.494 12.625,15.494 12.051,16.067 12.051,39.177 23.986,51.111 32.386,51.111 32.654,50.844 v1(41.148,50.844)
TX: U1.4 U5.4 | length 58.8
  Top Layer w0.254: U1.4 39.765,41.513 42.829,44.577 v1(43.561,44.577) ; v1(60.198,3.302) 61.7,3.302 61.849,3.451 61.849,4.369 U5.4
  Bottom Layer w0.254: v1(43.561,44.577) 43.561,43.815 42.51,42.764 42.51,37.728 42.705,37.533 42.705,36.127 42.51,35.932 42.51,27.802 52.82,17.492 52.82,16.773 56.471,13.123 57.309,13.123 60.198,10.234 v1(60.198,3.302)
TX_2: J3.4 U1.2 | length 94.6
  Top Layer w0.254: U1.2 40.081,39.513 40.373,39.221 v1(40.467,39.221)
  Bottom Layer w0.254: J3.4 8.826,36.67 23.776,51.619 41.336,51.619 41.829,51.126 41.829,46.822 39.243,44.236 39.243,37.632 40.726,36.149 41.29,36.149 41.689,36.548 41.689,37.112 40.467,38.334 v1(40.467,39.221)
V_BAT: C5.2 C6.2 D10.2 F1.1 L1.1 R1.2 U3.5 | length 46.8
  Top Layer w0.635: D10.2 37.06,33.909 42.672,33.909 45.569,36.806 45.569,38.346 R1.2 48.276,38.497 50.445,40.666 50.445,41.519 50.455,41.529 F1.1 51.689,39.878 45.639,33.828 45.639,32.586 C5.2 45.572,32.505 45.572,28.709 C6.2 49.276,28.702 49.831,28.147 49.831,24.082 49.498,23.749 U3.5@46.609,23.749
V_CHARGE: C4.2 F1.2 J1.1 U2.3 | length 46
  Top Layer w0.635: U2.3 61.223,43.373 61.159,43.309 61.159,43.248 60.724,42.813 C4.2 58.429,42.931 57.272,42.931 53.904,46.299 F1.2 51.689,48.514 55.88,52.705 71.12,52.705 75.978,47.847 J1.1
VBAT_CHARGE: LD5.A R4.2 | length 6.9
  Top Layer w0.381: R4.2 65.532,51.181 67.632,49.081 LD5.A
VDD: C12.2 D1.1 D3.A LD5.C R12.2 U2.4 | length 25.7
  Top Layer w0.254: R12.2@62.849,38.989 62.976,39.116 D3.A ; U2.4 66.487,43.373 67.632,44.518 LD5.C 67.693,45.48 71.092,45.48 C12.2 71.211,45.444 71.211,44.668 67.056,40.513 67.056,39.58 D3.A ; D1.1 66.634,39.074 D3.A
VIN_LDO: C10.2 D6.2 U4.3 | length 7.9
  Top Layer w0.381: D6.2 21.789,24.652 C10.2 25.4,23.718 25.623,23.495 26.725,23.495 26.948,23.272 U4.3
VOUT_LDO: D9.1 J3.1 | length 11.8
  Top Layer w0.381: D9.1 10.033,10.287 12.954,7.366 16.223,7.366 16.447,7.143 J3.1
ZENER_OUT: D15.3 R12.1 | length 4.3
  Top Layer w0.254: D15.3 56.839,39.116 R12.1
pads on no net: D15.2 J3.2 J3.3 J6.1 U1.9 U1.10 U1.12 U1.13 U1.14 U1.15 U1.16 U1.20 U1.25 U1.26 U1.27 U3.6

## Polygon pours and split planes (outlines as drawn)
GND on Bottom Layer "GND_L02_P000" (solid, pour order 0): 0,0 0,55 84,55 84,0
GND on Top Layer "GND_L01_P001" (solid, pour order 1): 0,0 84,0 84,55 0,55

## Silkscreen, mask and mechanical layers (free items; w line width, h text height)
Top Overlay:
  drawing of 2010 lines, arcs and shapes, not listed
  text "RUN - BOOT" at 7.366,51.308 h1.52
  text "RESET" at 4.191,45.72 h1.52
  text "BATTERY" at 77.216,44.069 h1.52
  text "SP-" at 74.665,37.592 h1 r90
  text "RS485 ACTIVE" at 1.778,34.417 h1.52
  text "SP+" at 74.792,32.385 h1 r90
  text "SOLAR PANEL" at 74.422,29.464 h1.52
  text "LORA JOIN" at 1.778,28.194 h1.52
  text "RS485 CONN" at 75.438,24.257 h1.52
  text "START" at 1.905,22.352 h1.52
  text "+12V" at 74.676,20.066 h1 r90
  text "PROTOLINK AGRO-LORA V1.1 / APRIL 2026 / www.galio.dev" at 63.246,18.288 h1.27
  text "DEBUG - PROG" at 13.208,14.859 h1.52
  text "GND" at 74.919,14.859 h1 r90
  text "B" at 74.803,10.668 h1 r90
  text "SWDIO" at 22.109,9.652 h1 r270
  text "SWCLK" at 24.649,9.652 h1 r270
  text "BOOT" at 13.537,9.335 h1 r270
  text "3V3" at 29.729,9.271 h1 r270
  text "GND" at 3.377,8.826 h1 r270
  text "VCC" at 16.14,8.762 h1 r270
  text "GND" at 27.189,8.509 h1 r270
  text "RX" at 5.779,8.064 h1 r270
  text "TX" at 8.191,8.064 h1 r270
  text "EN" at 10.858,8.064 h1 r270
  text "INFORMATION" at 39.878,6.731 h0.51
  text "A" at 74.803,5.08 h1 r90
  text "ST_LINK" at 21.209,1.651 h1.52
  text "GALIO FLASH TOOL" at 2.54,1.524 h1.52
Mechanical 1:
  the board outline again, w0.381

## Text inside footprints (layer, text, board x,y; h text height)
U2: Top Overlay "*" at 60.452,45.847 h0.51
U3: Top Overlay "*" at 43.545,25.13 h0.51